# Altium PCB CorePad-V2.0.PcbDoc (part 1 of 3) (continued)
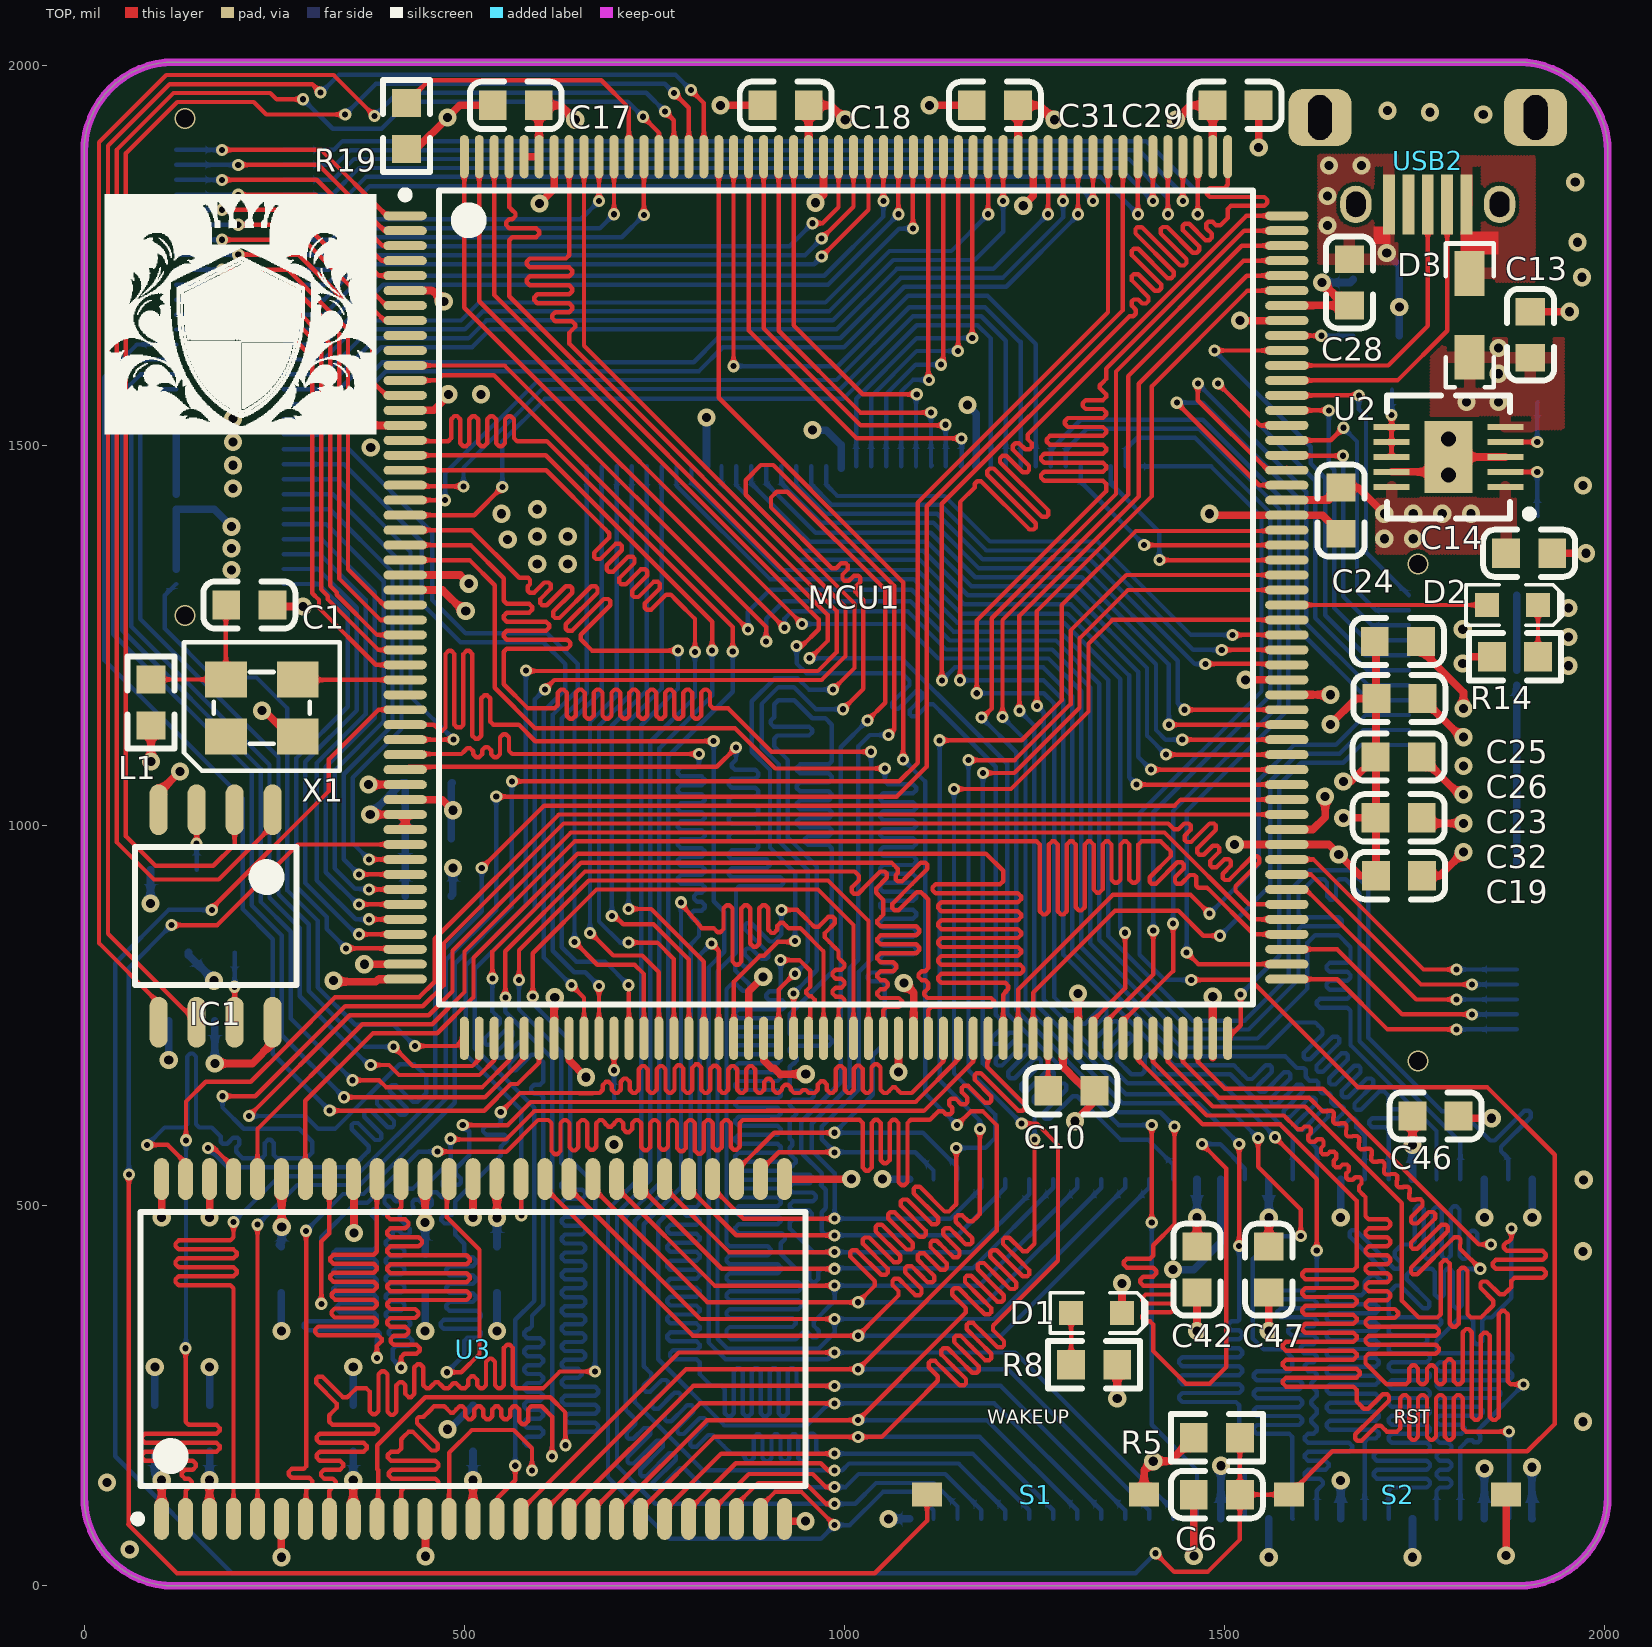
[diagram p0: TOP view]
## Footprints (in the part's own frame and the unit in brackets; to place one, negate y for a bottom-side part, rotate by r counter-clockwise, add the part's x,y. Pads: shape width x height; smd on the part's side, far side on the other; paste and mask are expansions set on the pad)
0603_c [mm]
  rect 0.93x0.98 smd: 1(-0.77,0) 2(0.77,0)
  silkscreen extent -1.53,-0.79 1.54,0.79, body extent -0.8,-0.4 0.8,0.4, height 0.3
0603_R [mm]
  rect 0.93x0.98 smd: 1(-0.77,0) 2(0.77,0)
  silkscreen extent -1.53,-0.79 1.54,0.79, body extent -0.85,-0.4 0.85,0.4, height 0.56
D0603-B [mm]
  round 0.254 on Mech14: 0(0,0)
  rect 0.8x0.8 smd: A(-0.85,0) K(0.85,0)
  TOP pour cut-out: -0.5,0.5 0.5,0.5 0.5,-0.5 -0.5,-0.5
  silkscreen extent -1.55,-0.67 1.67,0.67, body extent -0.8,-0.4 0.8,0.4, height 0.75
DF12(3.0)-60DS [mm]
  rect 2x0.3 smd far side: 1(-1.8,7.25) 2(-1.8,6.75) 3(-1.8,6.25) 4(-1.8,5.75) 5(-1.8,5.25) 6(-1.8,4.75) 7(-1.8,4.25) 8(-1.8,3.75) 9(-1.8,3.25) 10(-1.8,2.75) 11(-1.8,2.25) 12(-1.8,1.75) 13(-1.8,1.25) 14(-1.8,0.75) 15(-1.8,0.25) 16(-1.8,-0.25) 17(-1.8,-0.75) 18(-1.8,-1.25) 19(-1.8,-1.75) 20(-1.8,-2.25) 21(-1.8,-2.75) 22(-1.8,-3.25) 23(-1.8,-3.75) 24(-1.8,-4.25) 25(-1.8,-4.75) 26(-1.8,-5.25) 27(-1.8,-5.75) 28(-1.8,-6.25) 29(-1.8,-6.75) 30(-1.8,-7.25) 31(1.8,-7.25) 32(1.8,-6.75) 33(1.8,-6.25) 34(1.8,-5.75) 35(1.8,-5.25) 36(1.8,-4.75) 37(1.8,-4.25) 38(1.8,-3.75) 39(1.8,-3.25) 40(1.8,-2.75) 41(1.8,-2.25) 42(1.8,-1.75) 43(1.8,-1.25) 44(1.8,-0.75) 45(1.8,-0.25) 46(1.8,0.25) 47(1.8,0.75) 48(1.8,1.25) 49(1.8,1.75) 50(1.8,2.25) 51(1.8,2.75) 52(1.8,3.25) 53(1.8,3.75) 54(1.8,4.25) 55(1.8,4.75) 56(1.8,5.25) 57(1.8,5.75) 58(1.8,6.25) 59(1.8,6.75) 60(1.8,7.25)
  rect 1.8x0.8 smd far side: 61(0,-8.75) 62(0,8.75)
  body extent -2.3,-9.05 2.3,9.05
FPC_0.5MM_40P [mm]
  rect 0.25x1.2 smd: 1(-9.737,-1.326) 2(-9.237,-1.326) 3(-8.737,-1.326) 4(-8.237,-1.326) 5(-7.737,-1.326) 6(-7.237,-1.326) 7(-6.737,-1.326) 8(-6.237,-1.326) 9(-5.737,-1.326) 10(-5.237,-1.326) 11(-4.737,-1.326) 12(-4.237,-1.326) 13(-3.737,-1.326) 14(-3.237,-1.326) 15(-2.737,-1.326) 16(-2.237,-1.326) 17(-1.737,-1.326) 18(-1.237,-1.326) 19(-0.737,-1.326) 20(-0.237,-1.326) 21(0.263,-1.326) 22(0.763,-1.326) 23(1.263,-1.326) 24(1.763,-1.326) 25(2.263,-1.326) 26(2.763,-1.326) 27(3.263,-1.326) 28(3.763,-1.326) 29(4.263,-1.326) 30(4.763,-1.326) 31(5.263,-1.326) 32(5.763,-1.326) 33(6.263,-1.326) 34(6.763,-1.326) 35(7.263,-1.326) 36(7.763,-1.326) 37(8.263,-1.326) 38(8.763,-1.326) 39(9.263,-1.326) 40(9.763,-1.326)
  rect 2x3 smd: 41(-11.987,1.326) 42(11.987,1.326)
  silkscreen extent -12.19,-1.58 12.19,4.54
L-SMD [mm]
  rect 0.9x1.3 smd: 1(-1.9,0) 2(1.9,0)
  silkscreen extent -1.9,-1.7 1.9,1.7, body extent -1.95,-1.75 1.95,1.75, height 1.2
LQFP-208-0.5MM [mm]
  oval 1.45x0.3 smd: 1(-14.725,12.75) 2(-14.725,12.25) 3(-14.725,11.75) 4(-14.725,11.25) 5(-14.725,10.75) 6(-14.725,10.25) 7(-14.725,9.75) 8(-14.725,9.25) 9(-14.725,8.75) 10(-14.725,8.25) 11(-14.725,7.75) 12(-14.725,7.25) 13(-14.725,6.75) 14(-14.725,6.25) 15(-14.725,5.75) 16(-14.725,5.25) 17(-14.725,4.75) 18(-14.725,4.25) 19(-14.725,3.75) 20(-14.725,3.25) 21(-14.725,2.75) 22(-14.725,2.25) 23(-14.725,1.75) 24(-14.725,1.25) 25(-14.725,0.75) 26(-14.725,0.25) 27(-14.725,-0.25) 28(-14.725,-0.75) 29(-14.725,-1.25) 30(-14.725,-1.75) 31(-14.725,-2.25) 32(-14.725,-2.75) 33(-14.725,-3.25) 34(-14.725,-3.75) 35(-14.725,-4.25) 36(-14.725,-4.75) 37(-14.725,-5.25) 38(-14.725,-5.75) 39(-14.725,-6.25) 40(-14.725,-6.75) 41(-14.725,-7.25) 42(-14.725,-7.75) 43(-14.725,-8.25) 44(-14.725,-8.75) 45(-14.725,-9.25) 46(-14.725,-9.75) 47(-14.725,-10.25) 48(-14.725,-10.75) 49(-14.725,-11.25) 50(-14.725,-11.75) 51(-14.725,-12.25) 52(-14.725,-12.75) 105(14.725,-12.75) 106(14.725,-12.25) 107(14.725,-11.75) 108(14.725,-11.25) 109(14.725,-10.75) 110(14.725,-10.25) 111(14.725,-9.75) 112(14.725,-9.25) 113(14.725,-8.75) 114(14.725,-8.25) 115(14.725,-7.75) 116(14.725,-7.25) 117(14.725,-6.75) 118(14.725,-6.25) 119(14.725,-5.75) 120(14.725,-5.25) 121(14.725,-4.75) 122(14.725,-4.25) 123(14.725,-3.75) 124(14.725,-3.25) 125(14.725,-2.75) 126(14.725,-2.25) 127(14.725,-1.75) 128(14.725,-1.25) 129(14.725,-0.75) 130(14.725,-0.25) 131(14.725,0.25) 132(14.725,0.75) 133(14.725,1.25) 134(14.725,1.75) 135(14.725,2.25) 136(14.725,2.75) 137(14.725,3.25) 138(14.725,3.75) 139(14.725,4.25) 140(14.725,4.75) 141(14.725,5.25) 142(14.725,5.75) 143(14.725,6.25) 144(14.725,6.75) 145(14.725,7.25) 146(14.725,7.75) 147(14.725,8.25) 148(14.725,8.75) 149(14.725,9.25) 150(14.725,9.75) 151(14.725,10.25) 152(14.725,10.75) 153(14.725,11.25) 154(14.725,11.75) 155(14.725,12.25) 156(14.725,12.75)
  oval 0.3x1.45 smd: 53(-12.75,-14.725) 54(-12.25,-14.725) 55(-11.75,-14.725) 56(-11.25,-14.725) 57(-10.75,-14.725) 58(-10.25,-14.725) 59(-9.75,-14.725) 60(-9.25,-14.725) 61(-8.75,-14.725) 62(-8.25,-14.725) 63(-7.75,-14.725) 64(-7.25,-14.725) 65(-6.75,-14.725) 66(-6.25,-14.725) 67(-5.75,-14.725) 68(-5.25,-14.725) 69(-4.75,-14.725) 70(-4.25,-14.725) 71(-3.75,-14.725) 72(-3.25,-14.725) 73(-2.75,-14.725) 74(-2.25,-14.725) 75(-1.75,-14.725) 76(-1.25,-14.725) 77(-0.75,-14.725) 78(-0.25,-14.725) 79(0.25,-14.725) 80(0.75,-14.725) 81(1.25,-14.725) 82(1.75,-14.725) 83(2.25,-14.725) 84(2.75,-14.725) 85(3.25,-14.725) 86(3.75,-14.725) 87(4.25,-14.725) 88(4.75,-14.725) 89(5.25,-14.725) 90(5.75,-14.725) 91(6.25,-14.725) 92(6.75,-14.725) 93(7.25,-14.725) 94(7.75,-14.725) 95(8.25,-14.725) 96(8.75,-14.725) 97(9.25,-14.725) 98(9.75,-14.725) 99(10.25,-14.725) 100(10.75,-14.725) 101(11.25,-14.725) 102(11.75,-14.725) 103(12.25,-14.725) 104(12.75,-14.725) 157(12.75,14.725) 158(12.25,14.725) 159(11.75,14.725) 160(11.25,14.725) 161(10.75,14.725) 162(10.25,14.725) 163(9.75,14.725) 164(9.25,14.725) 165(8.75,14.725) 166(8.25,14.725) 167(7.75,14.725) 168(7.25,14.725) 169(6.75,14.725) 170(6.25,14.725) 171(5.75,14.725) 172(5.25,14.725) 173(4.75,14.725) 174(4.25,14.725) 175(3.75,14.725) 176(3.25,14.725) 177(2.75,14.725) 178(2.25,14.725) 179(1.75,14.725) 180(1.25,14.725) 181(0.75,14.725) 182(0.25,14.725) 183(-0.25,14.725) 184(-0.75,14.725) 185(-1.25,14.725) 186(-1.75,14.725) 187(-2.25,14.725) 188(-2.75,14.725) 189(-3.25,14.725) 190(-3.75,14.725) 191(-4.25,14.725) 192(-4.75,14.725) 193(-5.25,14.725) 194(-5.75,14.725) 195(-6.25,14.725) 196(-6.75,14.725) 197(-7.25,14.725) 198(-7.75,14.725) 199(-8.25,14.725) 200(-8.75,14.725) 201(-9.25,14.725) 202(-9.75,14.725) 203(-10.25,14.725) 204(-10.75,14.725) 205(-11.25,14.725) 206(-11.75,14.725) 207(-12.25,14.725) 208(-12.75,14.725)
  silkscreen extent -14.85,-13.6 13.6,13.6, body extent -15,-15 15,15, height 1.6
Micro_USB [mm]
  rect 0.4x2 smd: 1(-1.3,2.9) 2(-0.65,2.9) 3(0,2.9) 4(0.65,2.9) 5(1.3,2.9)
  oval 1.05x1.25 hole 0.65 slot 0.85 at 90 deg: 6(-2.4,2.9) 7(2.4,2.9)
  rrect50% 2.1x1.9 hole 0.8 slot 1.5 at 90 deg: 8(3.6,0) 9(-3.6,0)
  body extent -4.05,-2.6 4.05,3.2, height 2.75
OSC [mm]
  rect 1.4x1.2 smd: 1(-1.2,-0.95) 2(1.2,-0.95) 3(1.2,0.95) 4(-1.2,0.95)
  silkscreen extent -2.6,-2.1 2.6,2.2, body extent -1.6,-1.25 1.6,1.25, height 1
QFN-10 [mm]
  rect 1.2x0.2 smd: 1(-1.9,1) 2(-1.9,0.5) 3(-1.9,0) 4(-1.9,-0.5) 5(-1.9,-1) 6(1.9,-1) 7(1.9,-0.5) 8(1.9,0) 9(1.9,0.5) 10(1.9,1)
  rect 1.6x2.4 smd: 11(0,0)
  silkscreen extent -2.83,-2.05 2.05,2.05, body extent -1.95,-1.9 1.95,1.9, height 0.85
SOD123 [mm]
  rect 1.5x1 smd: 1(-1.4,0) 2(1.4,0)
  silkscreen extent -2.4,-0.8 2.4,0.8, body extent -1.85,-0.8 1.85,0.8, height 1
SOIC-W-8 [mm]
  oval 1.7x0.6 smd: 1(-3.55,1.905) 2(-3.55,0.635) 3(-3.55,-0.635) 4(-3.55,-1.905) 5(3.55,-1.905) 6(3.55,-0.635) 7(3.55,0.635) 8(3.55,1.905)
  silkscreen extent -2.3,-2.7 2.3,2.7, body extent -3.95,-2.7 3.95,2.7, height 2.16
SW-3625 [mm]
  rect 1x0.8 smd: 1(0,0) 2(-7.25,0)
  body extent -7.63,-1.77 0.37,1.83
TSOP54 [mm]
  oval 1.4x0.5 smd: 1(-5.675,10.4) 2(-5.675,9.6) 3(-5.675,8.8) 4(-5.675,8) 5(-5.675,7.2) 6(-5.675,6.4) 7(-5.675,5.6) 8(-5.675,4.8) 9(-5.675,4) 10(-5.675,3.2) 11(-5.675,2.4) 12(-5.675,1.6) 13(-5.675,0.8) 14(-5.675,0) 15(-5.675,-0.8) 16(-5.675,-1.6) 17(-5.675,-2.4) 18(-5.675,-3.2) 19(-5.675,-4) 20(-5.675,-4.8) 21(-5.675,-5.6) 22(-5.675,-6.4) 23(-5.675,-7.2) 24(-5.675,-8) 25(-5.675,-8.8) 26(-5.675,-9.6) 27(-5.675,-10.4) 28(5.675,-10.4) 29(5.675,-9.6) 30(5.675,-8.8) 31(5.675,-8) 32(5.675,-7.2) 33(5.675,-6.4) 34(5.675,-5.6) 35(5.675,-4.8) 36(5.675,-4) 37(5.675,-3.2) 38(5.675,-2.4) 39(5.675,-1.6) 40(5.675,-0.8) 41(5.675,0) 42(5.675,0.8) 43(5.675,1.6) 44(5.675,2.4) 45(5.675,3.2) 46(5.675,4) 47(5.675,4.8) 48(5.675,5.6) 49(5.675,6.4) 50(5.675,7.2) 51(5.675,8) 52(5.675,8.8) 53(5.675,9.6) 54(5.675,10.4)
  silkscreen extent -5.8,-11.1 4.58,11.32, body extent -5.8,-11.11 5.8,11.11, height 1

## Part data
C1 C6 C7 C8 C13 C14: library part C
C10 C11 C17 C18 C19 C23 C24 C25 C26 C28 C29 C30 C31 C32 C34 C36 C37 C38 C39 C40 C42 C44 C46 C47 C50: library part Cap1
D3: library part D
IC1: library part W25QXX
L1 L2 L4: library part Inductor
R5 R14 R18 R19 R26: library part R
R8: library part Res
R27 R28: library part RES
U2: "DC-DC 3.3V输出"
USB2: library part "micro usb"
X1: library part OSC

## Via types
v1: diameter 16, hole 8, TOP to BOT, tented both sides, 229 vias
v2: diameter 24, hole 12, TOP to BOT, tented both sides, 156 vias
v3: diameter 27.56, hole 23.62, TOP to BOT, 4 vias
v4: diameter 39.37, hole 19.68, TOP to BOT, 2 vias

## Nets (pads, with @x,y where several pads share a name; then routed paths per layer and width w, separated by ;. In a path a pad name is that pad's centre, name@x,y a point inside that pad or via, vN(x,y) a via of type N, cw(c..) or ccw(c..) an arc to the next point about the centre after c; other vN are vias at no path point)
3V3: C14.2 C17.2 C18.2 C19.2 C23.2 C24.2 C25.2 C26.2 C28.2 C29.2 C30.2 C31.2 C32.2 C34.2 C36.2 C37.2 C38.2 C39.2 C40.2 C42.2 C44.2 C46.2 C47.2 C50.2 IC1.8 J3.42 J3.43 J3.44 J3.45 J3.46 J3.47 J3.48 J3.49 J3.50 J3.51 J3.52 J3.53 J3.54 L1.1 L2.1 MCU1.6 MCU1.15 MCU1.26 MCU1.39 MCU1.52 MCU1.59 MCU1.73 MCU1.83 MCU1.94 MCU1.103 MCU1.115 MCU1.124 MCU1.137 MCU1.150 MCU1.158 MCU1.171 MCU1.185 MCU1.203 MCU1.204 R5.1 R8.1 R27.2 R28.2 S1.2 U2.1 U2.10 U3.1 U3.3 U3.9 U3.14 U3.27 U3.40 U3.43 U3.49 U4.1 U4.3 U4.9 U4.14 U4.27 U4.40 U4.43 U4.49 | length 4024.3
  TOP w10: v2(88,1084) L1.1@88,1131.37 ; U3.1@102.05,88.15 v2(102.05,138.92) ; U3.3@165.04,88.15 v2(165.04,138.92) ; v2(172,687) 221,687 248,714 IC1.8@248,741.24 ; U3.49@259.53,535 260,534.53 v2(260,472) ; v2(328,796) 329.44,794.56 383.56,794.56 386.87,797.87 MCU1.52@422.24,797.87 ; U3.9@354.02,88.15 v2(354.02,138.92) ; v2(370,1527) 370.78,1526.22 MCU1.15@422.24,1526.22 ; v2(374,1054) 374.22,1053.78 MCU1.39@422.24,1053.78 ; MCU1.26@422.24,1309.69 471.32,1309.69 499,1282 v2(502,1282) ; MCU1.6@422.24,1703.39 458.61,1703.39 v2(473,1689) ; v2(448.5,478) U3.43@448.5,535 ; U3.14@511.5,88.15 v2(511.5,138.92) ; v2(542.99,484.23) U3.40@542.99,535 ; MCU1.204@578.74,1879.57 595.48,1879.57 598,1882.08 C17.2@598,1947 627,1947 v2(646,1928) ; MCU1.59@618.11,720.12 618.11,773.11 v2(619,774) ; MCU1.73@893,719.42 MCU1.73@893.7,720.12 893.7,691.3 904.24,680.76 907.62,680.76 915.75,672.62 916.14,673 v2(949,673) ; U3.27@919.94,85.15 v2(948.85,85.15) ; MCU1.185@952.76,1879.57 952.76,1946.76 C18.2@953,1947 982,1947 v2(1001,1928) ; v2(1078,793) 1091,780 1091,720.57 MCU1.83@1090.55,720.12 ; MCU1.171@1228.35,1879.57 1228.35,1946.16 1227.76,1946.76 C31.2@1228,1947 1257,1947 v2(1276,1928) ; MCU1.94@1307.09,720.12 v2(1307.09,779.09) ; v2(1358.63,246.37) R8.1@1358.63,291 ; S1.2@1394,120 1394,152 v2(1406,164) 1428.37,164 R5.1@1459.37,195 ; v2(1436,1928) 1455,1947 C29.2@1484,1947 1484.25,1946.75 MCU1.158@1484.25,1879.57 ; C42.2@1463.5,446.32 v2(1463.5,484.23) ; MCU1.103@1484.25,694.67 MCU1.103@1484.25,720.12 v2(1484.25,774.75) ; C47.2@1557.99,446.32 v2(1557.99,484.23) ; MCU1.115@1581.69,994.72 1615.72,994.72 1632,1011 v2(1632,1038) ; MCU1.124@1581.69,1171.89 v2(1639.11,1171.89) ; MCU1.137@1581.69,1427.8 1636.48,1427.8 C24.2@1653,1444.31 1675.62,1444.31 v2(1709.94,1410) ; MCU1.150@1581.69,1683.7 1581.99,1684 C28.2@1658,1684 ; v2(1628,1714) C28.2@1658,1684 ; C28.2@1664,1684 C28.2@1658,1684 ; v2(1747,580) C46.2@1747,618 ; C19.2@1758,935.63 C19.2@1759.63,934 1782.94,934 v2(1813.94,965) ; C25.2@1758,1242 1758,1231 1813.94,1175.06 v2(1813.94,1154) ; C32.2@1759,1010 1766.2,1002.8 v2(1813.94,1002.8) ; C23.2@1759,1090 1808.4,1040.6 v2(1813.94,1040.6) ; C26.2@1760,1167 1810.8,1116.2 v2(1813.94,1116.2)
  BOT w10: v2(87.37,897.37) R28.2@87.37,942 ; C40.2@93.05,176.83 93.05,147.92 v2(102.05,138.92) ; R27.2@137.37,833 137.37,829.63 v2(171,796) ; v2(165.04,138.92) C39.2@165.04,176.83 ; v2(172,687) C50.2@172,743.31 ; C38.2@259.53,446.32 257,448.85 260,451.85 v2(260,472) ; v2(354.02,138.92) C44.2@354.02,176.83 ; C37.2@448.5,436.32 v2(448.5,478) ; L2.1@482.87,907.35 485,909.48 v2(485,944) ; v2(511.5,138.92) C36.2@511.5,176.83 ; C34.2@542.99,446.32 v2(542.99,484.23) ; v2(1058,88) 1058.15,88.15 U4.27@1085.55,88.15 ; v2(1463.5,484.23) U4.40@1463.5,535 ; U4.14@1495,88.15 v2(1495,158) ; v2(1557.99,484.23) U4.43@1557.99,535 ; v2(1628,1714) 1665,1714 C30.2@1669,1718 ; U4.9@1652.48,88.15 v2(1652.48,138.63) ; U4.49@1747,535.03 v2(1747,580) ; U4.3@1841.46,88.15 v2(1841.46,154.46) ; J3.42@1884,948.41 J3.43@1884,968.09 J3.44@1884,987.78 J3.45@1884,1007.46 J3.46@1884,1027.15 J3.47@1884,1046.83 J3.48@1884,1066.52 J3.49@1884,1086.2 J3.50@1884,1105.89 J3.51@1884,1125.57 J3.52@1884,1145.26 J3.53@1884,1164.94 J3.54@1884,1184.63 ; v2(1904,156) 1904,88.6 U4.1@1904.45,88.15
  other v2: 1813.94,1078.4 1709.94,1377 1748,1377 1747.96,1410 1785.98,1410 1824,1410
5V: C13.2 D3.2 J2.19 J2.20 J2.21 J2.22 J2.23 J2.24 J4.1 J4.2 R26.2 U2.5 | length 98.4
  BOT w10: J2.24@121,1435.67 J2.23@121,1455.35 J2.22@121,1475.04 J2.21@121,1494.72 J2.20@121,1514.41 J2.19@121,1534.09
  other v2: 596,1343.94 636,1344 596,1379.94 636,1379.94 596,1415.94 196,1443 196,1473.67 196,1504.33 196,1535 1817.94,1557 1860,1557 1860,1594 1860,1628
BOOT0: MCU1.197 R19.2 | length 383.9
  TOP w5.78: R19.2@424,1950.32 453.68,1980 680,1980 716.53,1943.47 MCU1.197@716.53,1879.57
BOOT1: MCU1.63 R18.1 | length 79.2
  TOP w5.78: v1(696.85,678.15) MCU1.63@696.85,720.12
  BOT w5.78: v1(696.85,678.15) 696.85,641.15 R18.1@697,641
CT_INT: J4.39 MCU1.96 | length 1039.5
  TOP w5.78: MCU1.96@1346.46,720.12 1346.46,744.46 1406,804 v1(1406,862)
  BOT w5.78: J4.39@1369.67,1472.21 1369.67,1494.67 1385,1510 1460.97,1510 1560.1,1410.87 1560.1,1171.44 1406,1017.34 v1(1406,862)
CT_RST: J4.35 MCU1.97 | length 1139.2
  TOP w5.78: MCU1.97@1366.14,720.12 1366.14,742.58 1432.11,808.55 v1(1432.11,870.89)
  BOT w5.78: J4.35@1290.93,1472.21 1290.93,1493.93 1318.78,1521.78 1466.22,1521.78 1571.88,1416.12 1571.88,1158.88 1432.11,1019.11 v1(1432.11,870.89)
CT_SCL: J4.38 MCU1.133 | length 320.1
  TOP w5.78: v1(1414.06,1349.06) MCU1.133@1581.69,1349.06 MCU1.133@1579.75,1351
  BOT w5.78: J4.38@1349.99,1472.21 1349.99,1450.01 1414.06,1385.94 v1(1414.06,1349.06)
CT_SDA: J4.36 MCU1.134 | length 325.7
  TOP w5.78: v1(1394.08,1368.74) MCU1.134@1581.69,1368.74
  BOT w5.78: J4.36@1310.62,1472.21 1310.62,1452.2 v1(1394.08,1368.74)
DCMI_D0: J3.8 MCU1.138 | length 758.2
  TOP w5.78: v1(1437,1556) 1545.52,1447.48 MCU1.138@1581.69,1447.48
  BOT w5.78: v1(1437,1556) 1471,1556 1595.44,1431.56 1595.44,1258.56 1689.06,1164.94 J3.8@1742.27,1164.94
DCMI_D1: J3.7 MCU1.139 | length 723.8
  TOP w5.78: v1(1464.68,1581.32) 1464.68,1559.32 1556.83,1467.17 MCU1.139@1581.69,1467.17 MCU1.139@1581.69,1470.51
  BOT w5.78: v1(1464.68,1581.32) 1607.22,1438.78 1607.22,1265.78 1688.37,1184.63 J3.7@1742.27,1184.63
DCMI_D2: J2.47 MCU1.179 | length 954.8
  TOP w5.78: v1(1070.87,1803.85) MCU1.179@1070.87,1879.57
  BOT w5.78: J2.47@262.73,1632.52 314.52,1632.52 393.22,1711.22 978.24,1711.22 v1(1070.87,1803.85)
DCMI_D3: J2.48 MCU1.180 | length 928.8
  TOP w5.78: v1(1051.18,1821.16) MCU1.180@1051.18,1879.57
  BOT w5.78: J2.48@262.73,1652.2 314,1652.2 384.8,1723 973.36,1723 1051.18,1800.82 v1(1051.18,1821.16)
DCMI_D4: J2.3 MCU1.3 | length 337.1
  TOP w5.78: v1(181.57,1849.06) 305.94,1849.06 392.56,1762.44 MCU1.3@422.24,1762.44
  BOT w5.78: J2.3@121,1849.06 v1(181.57,1849.06)
DCMI_D5: J2.41 MCU1.167 | length 1240.6
  TOP w5.78: v1(1307.09,1803.85) MCU1.167@1307.09,1879.57
  BOT w5.78: J2.41@262.73,1514.41 314.07,1514.41 397.22,1597.56 808.67,1597.56 840,1628.89 999.25,1628.89 1078.7,1708.34 1212.75,1708.34 1307.09,1802.67 v1(1307.09,1803.85)
DCMI_D6: J2.4 MCU1.4 | length 337.1
  TOP w5.78: v1(202.74,1829.37) 304.63,1829.37 391.24,1742.76 MCU1.4@422.24,1742.76
  BOT w5.78: J2.4@121,1829.37 v1(202.74,1829.37)
DCMI_D7: J2.54 MCU1.199 | length 493.9
  TOP w5.78: v1(677.16,1821.16) MCU1.199@677.16,1879.57
  BOT w5.78: J2.54@262.73,1770.32 325.32,1770.32 352.11,1797.11 653.11,1797.11 v1(677.16,1821.16)
DCMI_HSYNC: J2.30 MCU1.53 | length 881.9
  TOP w5.78: v1(435,710) 489.88,710 MCU1.53@500,720.12
  BOT w5.78: J2.30@121,1317.56 106,1302.56 106,1259 170.32,1194.68 226.76,1194.68 267.44,1154 267.44,914.58 307.11,874.91 307.11,787.35 356.46,738 407,738 v1(435,710)
DCMI_PIXCLK: J2.17 MCU1.55 | length 1276.4
  TOP w5.78: v1(377,685) 401,685 414.1,671.9 519.9,671.9 539.37,691.37 MCU1.55@539.37,720.12
  BOT w5.78: J2.17@121,1573.46 75.46,1573.46 61.96,1559.96 61.96,1261.7 243.88,1079.78 243.88,904.82 283.55,865.15 283.55,775.45 374,685 v1(377,685)
DCMI_VSYNC: J2.52 MCU1.196 | length 580
  TOP w5.78: v1(736.22,1802.78) MCU1.196@736.22,1879.57
  BOT w5.78: J2.52@262.73,1730.94 321.94,1730.94 364.55,1773.55 706.99,1773.55 v1(736.22,1802.78)
DCMI_XCLK: J3.6 MCU1.142 | length 626.6
  TOP w5.78: v1(1491,1581.34) 1546.12,1526.22 MCU1.142@1581.69,1526.22
  BOT w5.78: v1(1491,1581.34) 1619,1453.35 1619,1273 1687.69,1204.31 J3.6@1742.27,1204.31
ETH_MDC: J2.38 MCU1.36 | length 540.2
  TOP w5.78: MCU1.36@422.24,1112.83 422.41,1113 v1(486,1113)
  BOT w5.78: J2.38@262.73,1455.35 333.65,1455.35 429.22,1359.78 429.22,1169.78 v1(486,1113)
ETH_MDIO: J2.36 MCU1.45 | length 670.7
  TOP w5.78: v1(361.33,935.67) MCU1.45@422.24,935.67
  BOT w5.78: J2.36@262.73,1415.98 323.02,1415.98 405.66,1333.34 405.66,1131.86 341.33,1067.53 341.33,955.67 v1(361.33,935.67)
FMC_A0: MCU1.16 U3.23 U4.23 | length 2668.2
  TOP w5.78: MCU1.16@422.24,1506.54 423.45,1505.33 477,1505.33 478.77,1505.33 482.89,1509.45 482.89,1534.36 487.01,1538.48 490.55,1538.48 494.67,1534.36 494.67,1505.33 494.67,1502.75 498.79,1498.63 502.33,1498.63 506.45,1502.75 506.45,1505.33 506.45,1534.1 510.57,1538.22 514.11,1538.22 518.23,1534.1 518.23,1505.33 518.23,1502.75 522.35,1498.63 525.89,1498.63 530.01,1502.75 530.01,1505.33 530.01,1534.1 534.13,1538.22 537.67,1538.22 541.79,1534.1 541.79,1505.33 541.79,1502.75 545.91,1498.63 549.45,1498.63 553.57,1502.75 553.57,1505.33 553.57,1534.1 557.69,1538.22 561.23,1538.22 565.35,1534.1 565.35,1509.45 569.47,1505.33 582,1505.33 608.67,1505.33 853,1261 v1(853,1229) ; U3.23@794.96,88.15 794.96,99.45 856.82,161.31 968.69,161.31 978,152 v1(987,152)
  BOT w5.78: v1(853,1229) 853,1176 768.11,1091.11 768.11,867.75 768.23,867.63 768.23,824.37 768.11,824.25 768.11,811.75 768.23,811.63 768.23,768.37 768.11,768.25 768.11,524.13 724.34,480.36 724.34,241.66 814,152 997,152 1006,161 1149.98,161 1211.54,99.45 U4.23@1211.54,88.15
FMC_A1: MCU1.17 U3.24 U4.24 | length 2638
  TOP w5.78: MCU1.17@422.24,1486.85 607,1486.85 826,1267.85 v1(826,1230) ; U3.24@826.46,88.15 826.46,99.45 874.17,147.16 958.18,147.16 975.34,130 v1(987,130)
  BOT w5.78: v1(826,1230) 826,1171 756.33,1101.33 756.33,862.87 756.45,862.75 756.45,829.25 756.33,829.13 756.33,806.87 756.45,806.75 756.45,773.25 756.33,773.13 756.33,529.01 712.56,485.24 712.56,231.44 715.5,228.5 719.66,224.34 725.08,218.92 725.08,213.09 713.75,201.76 713.75,195.93 716.25,193.43 722.08,193.43 736.32,207.68 741.67,207.68 744.65,204.69 744.65,199.35 714.59,169.28 714.59,163.45 717.09,160.95 722.92,160.95 752.98,191.02 758.33,191.02 761.31,188.03 761.31,182.69 731.25,152.62 731.25,146.79 733.75,144.29 739.58,144.29 769.64,174.36 774.99,174.36 777.97,171.37 777.97,166.03 747.91,135.97 747.91,130.13 750.41,127.64 756.24,127.64 783.39,154.78 789.22,154.78 796.5,147.5 814,130 v1(987,130) 1001.34,130 1018.5,147.16 1132.33,147.16 1180.04,99.45 U4.24@1180.04,88.15
FMC_A2: MCU1.18 U3.25 U4.25 | length 2613.2
  TOP w5.78: MCU1.18@422.24,1467.17 607.83,1467.17 681,1394 685.16,1389.84 690.58,1384.42 690.58,1378.59 670.72,1358.73 670.72,1352.9 673.22,1350.4 679.05,1350.4 698.91,1370.26 704.74,1370.26 707.24,1367.76 707.24,1361.93 687.38,1342.07 687.38,1336.24 689.88,1333.74 695.71,1333.74 715.57,1353.6 721.4,1353.6 723.9,1351.1 723.9,1345.27 704.04,1325.41 704.04,1319.58 706.54,1317.08 712.37,1317.08 732.23,1336.94 738.06,1336.94 740.56,1334.44 740.56,1328.61 720.7,1308.75 720.7,1302.92 723.19,1300.42 729.03,1300.42 748.89,1320.28 754.72,1320.28 757.22,1317.78 757.22,1311.95 737.36,1292.09 737.36,1286.26 739.85,1283.76 745.68,1283.76 765.55,1303.62 771.38,1303.62 780,1295 803.33,1271.67 v1(803.33,1228) ; U3.25@857.95,88.15 857.95,106.95 886.38,135.38 948.28,135.38 975.66,108 v1(987,108)
  BOT w5.78: v1(803.33,1228) 803.33,1168.99 744.55,1110.21 744.55,858 744.67,857.88 744.67,834.12 744.55,834 744.55,802 744.67,801.88 744.67,778.12 744.55,778 744.55,533.89 700.78,490.12 700.78,158.22 751,108 v1(987,108) 1014,108 1041.38,135.38 1117.62,135.38 1148.54,104.46 U4.25@1148.54,88.15
FMC_A3: MCU1.22 U3.26 U4.26 | length 2576.2
  TOP w5.78: MCU1.22@422.24,1388.43 509.57,1388.43 571,1327 572.25,1325.75 578.08,1325.75 583.91,1325.75 586.41,1323.25 586.41,1317.42 583.49,1314.51 583.49,1308.67 585.99,1306.18 591.82,1306.18 605.17,1319.53 611,1319.53 613.5,1317.03 613.5,1311.2 600.15,1297.85 600.15,1292.02 602.65,1289.52 608.48,1289.52 633.49,1314.52 639.32,1314.52 641.82,1312.02 641.82,1306.19 616.81,1281.19 616.81,1275.36 619.31,1272.86 625.14,1272.86 666.8,1314.51 672.63,1314.51 675.13,1312.02 675.13,1306.18 633.47,1264.53 633.47,1258.7 635.97,1256.2 641.8,1256.2 683.46,1297.85 689.29,1297.85 691.79,1295.36 691.79,1289.53 653.05,1250.78 653.05,1244.95 668,1230 v1(781,1230) ; U3.26@889.45,88.15 889.45,104.45 908.6,123.6 943.4,123.6 v1(987,80)